# Altium PCB GoPoS_PCB_V3_0.PcbDoc (part 1 of 2)
Units mm, origin at the board's own origin, x right, y up, seen from the top; angles counter-clockwise.
Board outline 218.5 x 165.61 mm, 2 copper layers (Top Layer, Bottom Layer); 105 components, 81 nets, 435 pads, 245 vias.
Unrouted connection lines stored in the file: 37.
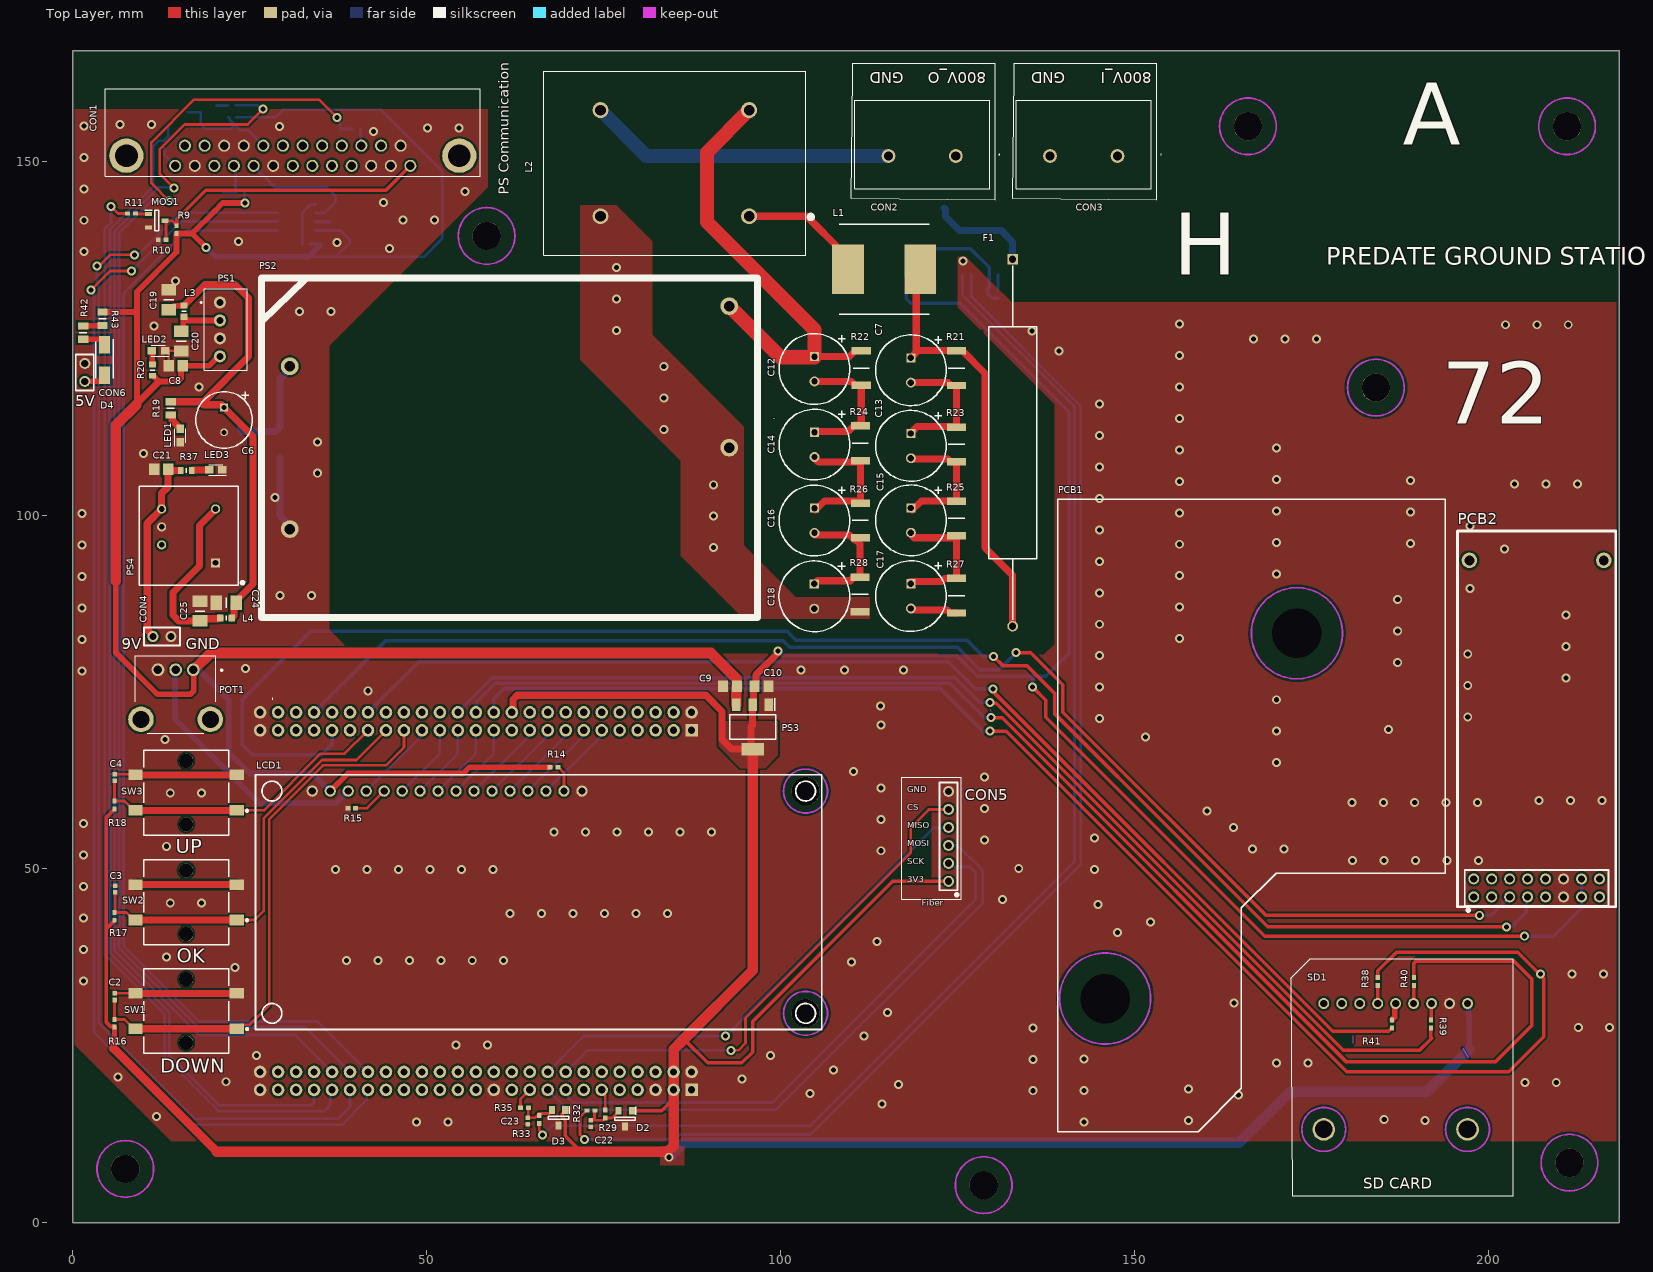
[diagram p0: Top Layer view]
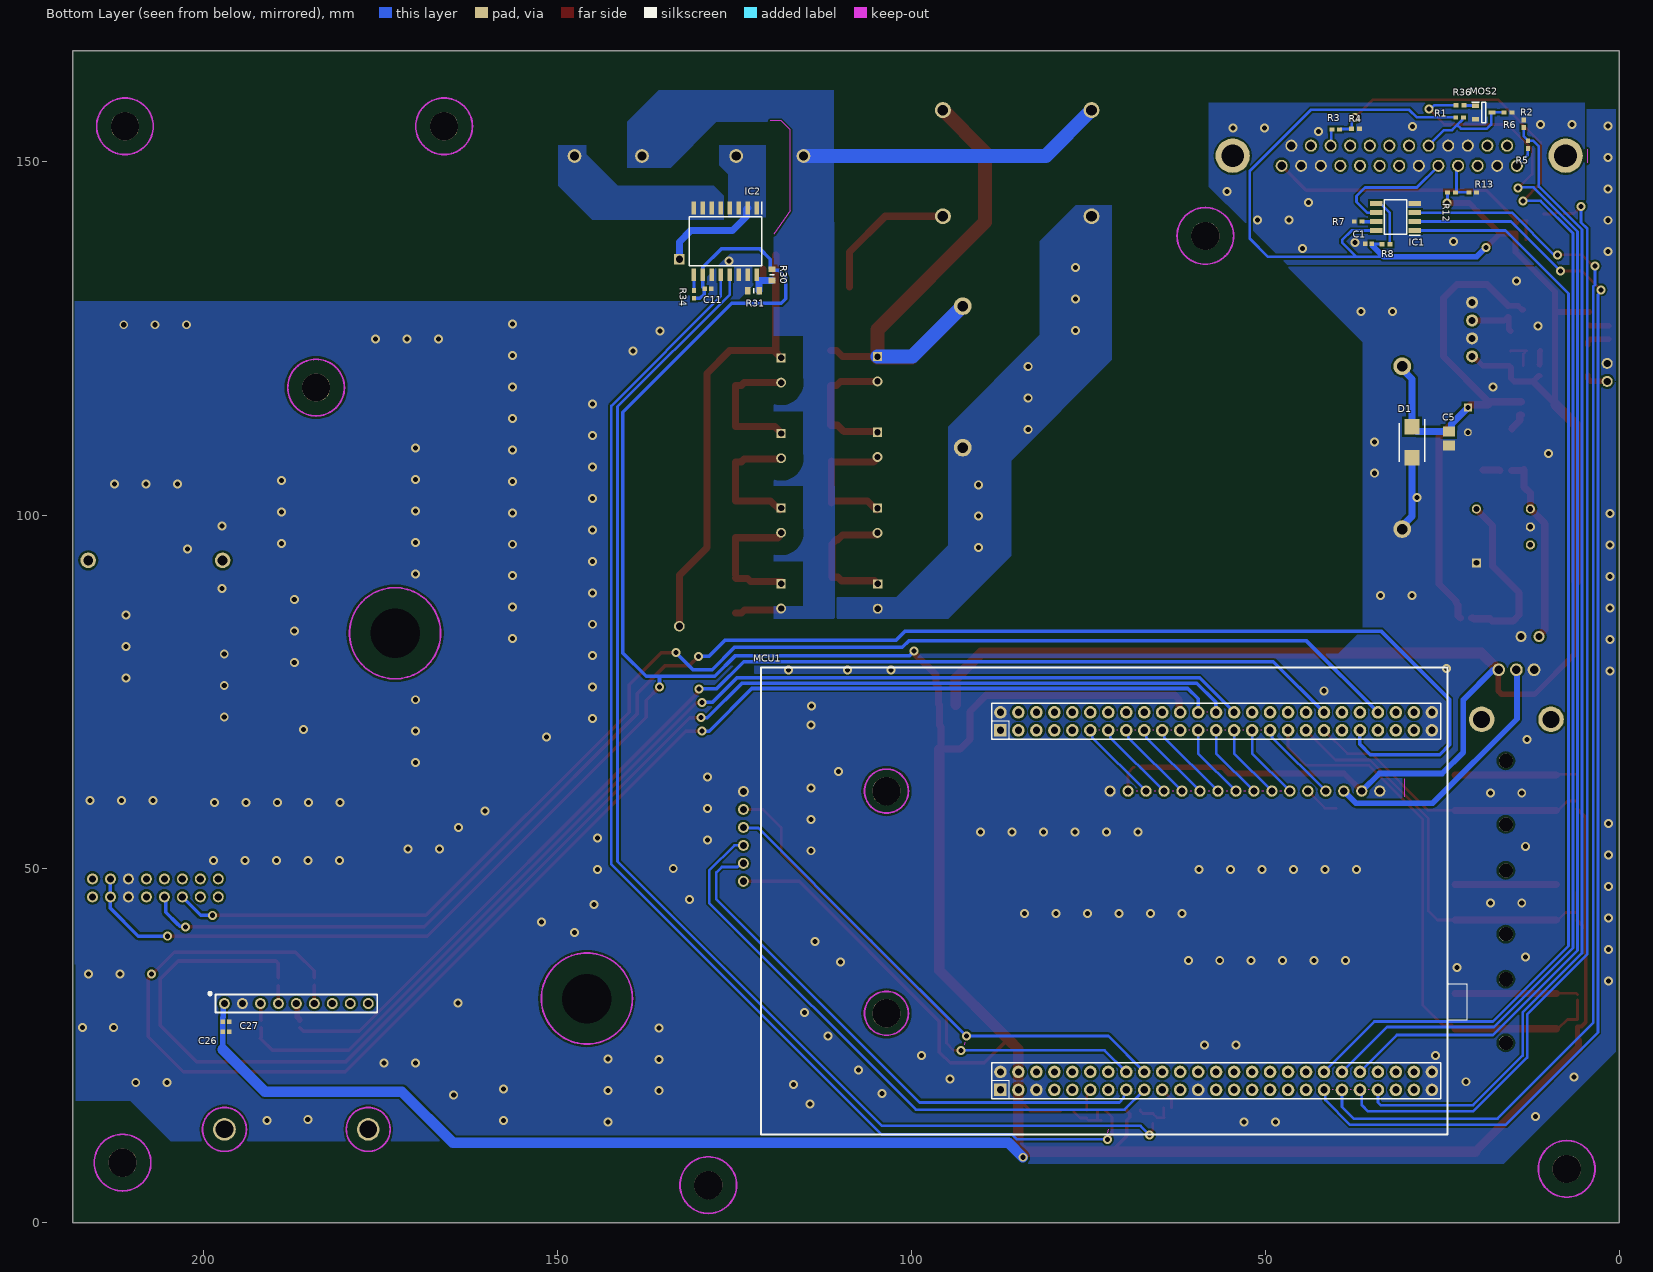
[diagram p1: Bottom Layer view, seen from below]

## Layer stack, top to bottom
Top Solder: solder mask 0.0102, Solder Resist, Dk 3.5
Top Layer: signal copper 0.0356
Dielectric 1: dielectric 0.32, FR-4, Dk 4.8
Bottom Layer: signal copper 0.0356
Bottom Solder: solder mask 0.0102, Solder Resist, Dk 3.5

## Board outline
0,0 0,165.608 218.5,165.608 218.5,0

## Design rules (kind name [scope] priority, off if disabled: settings)
Clearance Clearance_1 [InNet('+800V') OR InNet('800V_out') OR InNet('NetC7_1') OR InNet('NetC7_2') OR InNet('NetC13_2')      OR InNet('NetC15_2') vs InNet('GND_800V') OR InNet('LOC/ANALOG')] p1: gap=2.5 ignorepadtopadclearanceinfootprint=TRUE
Clearance [All] p2: gap=0.254 ignorepadtopadclearanceinfootprint=FALSE except(0: Arc-Hole Track-Hole SMDPad-Hole THPad-Hole Via-Hole Fill-Hole Poly-Hole Region-Hole Text-Hole; 0.3: Arc-Fill Arc-Poly Arc-Region Track-Fill Track-Poly Track-Region SMDPad-Fill SMDPad-Poly SMDPad-Region THPad-Fill THPad-Poly THPad-Region Via-Fill Via-Poly Via-Region Fill-Fill Fill-Poly Fill-Region Poly-Poly Poly-Region Region-Region)
ComponentClearance [All] p1 off: gap=0.254 collisioncheckmode=3 verticalgap=0 showdistances=FALSE
Height [All] p1 off: minheight=0 maxheight=25.4 prefheight=12.7
HoleSize [All] p1: absolutevalues=TRUE maxlimit=5 minlimit=0.025 maxpercent=80.000 minpercent=20.000
MinimumSolderMaskSliver [All] p1: minsoldermaskwidth=0.1
PolygonConnect [All] p1: connectstyle=Relief reliefconductorwidth=0.254 reliefentries=4 polygonreliefangle="90 Angle" airgapwidth=0.254
RoutingVias [All] p1: holewidth=0.711 width=1.27 viastyle="Through Hole" minholewidth=0.711 minwidth=1.27 maxholewidth=0.711 maxwidth=1.27
SilkToSilkClearance [All] p1: silktosilkclearance=0.125
SilkToSolderMaskClearance [IsPad] p1: minsilkscreentomaskgap=0.1 clearancetoexposedcopper=TRUE
SolderMaskExpansion [All] p1: expansion=0.102 istentingtop=FALSE
Width [All] p1: maxlimit=2 minlimit=0.254 preferedwidth=0.381 minimp=50.000000 maximp=50.000000 favimp=50.000000
24 further rules are at their usual default settings.

## Classes and differential pairs
component class U_Communication: CON5 PCB1 PCB2
component class U_PS_Power: C5 C6 C7 C8 C9 C10 C11 C12 C13 C14 C15 C16 C17 C18 C19 C20 C21 C22 C23 C24 C25 CON2 CON3 CON4 CON6 D1 D4 F1 IC2 L1 L2 L3 L4 LED1 LED2 LED3 PS1 PS2 PS3 PS4 R19 R20 R21 R22 R23 R24 R25 R26 R27 R28 R30 R31 R32 R33 R34 R37 R42 R43
component class U_PS_Control: C1 CON1 IC1 MOS1 MOS2 R1 R2 R3 R4 R5 R6 R7 R8 R9 R10 R11 R12 R13 R36
component class U_MCU: D2 D3 MCU1 R29 R35
component class U_HMI: C2 C3 C4 C26 C27 LCD1 POT1 R14 R15 R16 R17 R18 R38 R39 R40 R41 SD1 SW1 SW2 SW3

## Components (designator, comment, footprint, x,y, rotation, side; value= is the part's Value field where it differs from the comment)
C1 "0.1uF/25V" C0402 35.868,138.358 r180 bottom
C2 "0.1uF/25V" C0402 5.896,31.496 r90 top
C3 "0.1uF/25V" C0402 6.023,46.736 r90 top
C4 "0.1uF/25V" C0402 5.896,62.484 r90 top
C5 "1uF/50V" C0805 24.057,111.835 r270 bottom
C6 "120uF/50V" Cap_THT_O8mm#1 21.382,115.2 r270 top
C7 "10uF/400V" Cap_THT_O8mm#2 118.418,122.222 r270 top
C8 "10uF/16V" C0805 15.531,121.093 r180 top
C9 "10uF/16V" C0805 93.855,75.819 r180 top
C10 "10uF/16V" C0805 96.32,75.819 r0 top
C11 "0.1uF/25V" C0402 129.224,131.953 r180 bottom
C12 "10uF/400V" Cap_THT_O8mm#2 104.798,122.393 r270 top
C13 "10uF/400V" Cap_THT_O8mm#2 118.418,111.543 r270 top
C14 "10uF/400V" Cap_THT_O8mm#2 104.798,111.713 r270 top
C15 "10uF/400V" Cap_THT_O8mm#2 118.418,101.013 r270 top
C16 "10uF/400V" Cap_THT_O8mm#2 104.798,100.986 r270 top
C17 "10uF/400V" Cap_THT_O8mm#2 118.418,90.309 r270 top
C18 "10uF/400V" Cap_THT_O8mm#2 104.769,90.282 r270 top
C19 "4.7uF/50V" C1206 13.54,129.032 r90 top
C20 "4.7uF/50V" C1206 15.329,125.99 r270 top
C21 "10uF/16V" C0805 13.48,106.475 r180 top
C22 "0.01uF/25V" C0402 73.206,14.489 r270 top
C23 "0.01uF/25V" C0402 64.316,14.859 r270 top
C24 "4.7uF/50V" C1206 23.075,87.625 r180 top
C25 "4.7uF/50V" C1206 17.978,85.049 r90 top
C26 "2.2uF/25V" C0402 197.3,27 r180 bottom
C27 "0.1uF/25V" C0402 197.3,28.4 r180 bottom
CON1 "L717SDB25PA4CH4F" DSUB_THT_RIGHTAngle_25 54.605,150.78 r180 top
CON2 "1714971" CON1X02_9.52mm 124.768,150.749 r180 top
CON3 "1714971" CON1X02_9.52mm 147.602,150.749 r180 top
CON4 "881545-1" Con1x02_2.54_Jump 11.325,82.849 r90 top
CON5 "M20-8770646" Con1x06_2.54 123.752,48.26 r180 top
CON6 "881545-1" Con1x02_2.54_Jump 1.7,118.9 r180 top
D1 "SMBJ20A" DO-214AA-2 29.264,112.477 r270 bottom
D2 "BAT54S,235" SOT-23-3 78.032,14.732 r270 top
D3 "BAT54S,235" SOT-23-3 68.629,14.859 r270 top
D4 "S1M-HF" DO-214AC 4.474,121.92 r270 top
F1 "0ADBP2000-RE" Axial_Fuse_33mm 132.8,136.16 r270 top
IC1 "MCP41010-I/SN" SOIC-8 28.883,140.208 r0 bottom
IC2 "MCA1101-5-3" SOIC-16 126.292,138.684 r270 bottom
L1 "1.2mH/0.4A" L1208 119.75,134.75 r180 top
L2 "744866103" 744866103 95.558,142.226 r180 top
L3 "6.8uH/0.3A" L0603 15.7,129.616 r270 top
L4 "6.8uH/0.3A" L0603 22.45,85.464 r180 top
LCD1 "1602A" LCD_16x2 33.836,61.007 r0 top
LED1 "150080GS75000" L0805 15.175,110.275 r90 top
LED2 "150080GS75000" L0805 13.043,123.228 r180 top
LED3 "150080GS75000" L0805 21.15,106.4 r180 top
MCU1 "STM32F407G-DISC1" STM32F407G-DISC1 24.25,12.465 r90 bottom
MOS1 "RK7002BMT116" SOT23-3-GSD 10.708,142.555 r0 top
MOS2 "RK7002BMT116" SOT23-3-GSD 20.3,157.85 r180 bottom
PCB1 "Comment" "TP-Link MC220L" 139.209,12.874 r90 top
PCB2 "Uart to Ethernet Converter" UART2ETH 197.94,46.06 r90 top
POT1 "Potentiometer" Pot_THT 19.432,71.147 r180 top
PS1 "PDSE1-S15-S5-S" SIP-4 20.79,130.048 r270 top
PS2 "PV15-27B15R3" DIP-4_Module_1 92.751,109.531 r180 top
PS3 "TS1117BCW33RP" SOT-223-3 98.366,73.229 r270 top
PS4 "PQP3-D12-D9-D" DIP-5 20.175,93.255 r180 top
R1 "10K" R0402 22.548,156.2 r0 bottom
R2 "TBD" R0402 15.7,156.9 r0 bottom
R3 "1K1" R0402 40.05,154.5 r180 bottom
R4 "2K1" R0402 37.25,154.6 r0 bottom
R5 "1K1" R0402 12.9,152.35 r90 bottom
R6 "2K1" R0402 13.5,155.3 r270 bottom
R7 "TBD" R0402 36.884,141.478 r0 bottom
R8 "TBD" R0402 32.947,138.272 r180 bottom
R9 "10K" R0402 14.659,140.335 r270 top
R10 "TBD" R0402 12.627,138.907 r0 top
R11 "10R" R0402 8.309,142.621 r0 top
R12 "TBD" R0402 23.7,145.6 r180 bottom
R13 "TBD" R0402 20.7,145.6 r0 bottom
R14 "TBD" R0402 67.999,64.389 r180 top
R15 "10K" R0402 39.424,58.594 r0 top
R16 "2k2" R0402 5.896,28.194 r270 top
R17 "2k2" R0402 5.896,43.307 r270 top
R18 "2k2" R0402 5.896,59.055 r270 top
R19 "3k" R0805 13.825,115.075 r90 top
R20 "715R" R0603 11.265,121.285 r270 top
R21 "1M" R2010 124.866,118.318 r90 top
R22 "1M" R2010 111.402,118.329 r90 top
R23 "1M" R2010 124.866,107.535 r90 top
R24 "1M" R2010 111.275,107.702 r90 top
R25 "1M" R2010 124.866,97.076 r90 top
R26 "1M" R2010 111.275,96.795 r90 top
R27 "1M" R2010 124.866,86.171 r90 top
R28 "1M" R2010 111.246,86.345 r90 top
R29 "100R" R0402 75.238,15.367 r90 top
R30 "TBD" R0603 119.688,133.147 r90 bottom
R31 "TBD" R0603 123.117,131.699 r180 bottom
R32 "100R" R0402 73.206,15.875 r0 top
R33 "100R" R0402 65.899,14.605 r90 top
R34 "10K" R0402 130.737,131.191 r270 bottom
R35 "100R" R0402 63.808,16.27 r180 top
R36 "10R" R0402 22.504,157.9 r180 bottom
R37 "715R" R0603 16.831,106.313 r180 top
R38 "0R" R0402 184.4,34.1 r90 top
R39 "0R" R0402 191.9,28.1 r90 top
R40 "0R" R0402 189.5,34.1 r270 top
R41 "0R" R0402 186.4,28.1 r90 top
R42 "3k" R0805 1.47,125.8 r90 top
R43 "3k" R0805 4.2,127.75 r90 top
SD1 "4682" SD_Board 197.073,30.988 r180 top
SW1 "PTS125SM43SMTR21M LFS" 12mm_SMD 23.168,27.432 r180 top
SW2 "PTS125SM43SMTR21M LFS" 12mm_SMD 23.168,42.799 r180 top
SW3 "PTS125SM43SMTR21M LFS" 12mm_SMD 23.168,58.293 r180 top

## Footprints (in the part's own frame and the unit in brackets; to place one, negate y for a bottom-side part, rotate by r counter-clockwise, add the part's x,y. Pads: shape width x height; smd on the part's side, far side on the other; paste and mask are expansions set on the pad)
12mm_SMD [mm]
  round 2 hole 2 unplated: 0(7.15,2) 0(7.15,-7)
  rect 2x1.5 smd: 1(0,0) 2(14.3,0) 3(0,-5) 4(14.3,-5)
  Top Layer lines w1: 14.3,0 0,0 ; 14.3,-5 0,-5
  silkscreen extent -1.5,-8.5 13.15,3.5, body extent -0.58,-8.47 14.72,3.53, height 8.47
744866103 [mm]
  round 2.25 hole 1.5: 1(0,0) 2(0,-15) 3(21,-15) 4(21,0)
  silkscreen extent -8.8,-20.5 29,5.5, body extent -8,-20.5 29,5.5, height 45.1
Axial_Fuse_33mm [mm]
  rect 1.515x1.515 hole 1.01: 1(0,0)
  round 1.515 hole 1.01: 2(51.86,0)
  silkscreen extent 0.93,-3.38 50.93,3.38, body extent 9.47,-3.33 42.29,3.43, height 6.5
C0402 [mm]
  rect 0.65x0.64 smd: 1(0,0) 2(0.925,0)
  body extent -0.05,-0.25 0.95,0.25, height 0.56
C0805 [mm]
  rect 1.44x1.66 smd: 1(0,0) 2(1.98,0)
  body extent 0.01,-0.63 2.02,0.63, height 0.94
C1206 [mm]
  rect 1.62x2.06 smd: 1(0,0) 2(2.8,0)
  silkscreen extent 1.4,-0.7 1.4,0.7, body extent -0.2,-0.8 3,0.8, height 1
Cap_THT_O8mm#1 [mm]
  rect 1.1x1.1 hole 0.7: 1(0,0)
  round 1.1 hole 0.7: 2(3.5,0)
  silkscreen extent -2.25,-4 5.75,4, body extent -2.5,-4.25 6,4.25, height 13
Cap_THT_O8mm#2 [mm]
  rect 1.3x1.3 hole 0.9: 1(0,0)
  round 1.4 hole 0.9: 2(3.5,0)
  silkscreen extent -3.25,-5 6.75,5, body extent -2.5,-4.25 6,4.25, height 13
Con1x02_2.54_Jump [mm]
  round 1.55 hole 1.02: 1(0,0) 2(0,-2.54)
  silkscreen extent -1.27,-3.81 1.27,1.27, body extent -1.24,-3.81 1.24,1.27, height 10.89
CON1X02_9.52mm [mm]
  round 1.95 hole 1.3: 1(0,0) 2(9.52,0)
  silkscreen extent -6.2,-7.9 14.28,4.6, body extent -5.32,-7.95 14.29,4.55, height 21.5
Con1x06_2.54 [mm]
  round 1.55 hole 1.02: 1(0,0) 2(0,-2.54) 3(0,-5.08) 4(0,-7.62) 5(0,-10.16) 6(0,-12.7)
  silkscreen extent -1.27,-13.97 1.27,2.03, body extent -1.24,-13.97 1.24,1.27, height 10.52
DIP-4_Module_1 [mm]
  round 2.5 hole 1.5: 1(0,0) 2(0,-20) 3(62.09,-11.5) 4(62.09,11.5)
  silkscreen extent -4,-24 66.09,24, body extent -4.32,-24.38 66.42,24.64, height 23.5
DIP-5 [mm]
  rect 1.3x1.3 hole 0.8: 1(0,0)
  round 1.3 hole 0.8: 4(0,-7.62) 5(7.62,-7.62) 6(7.62,-5.08) 7(7.62,-2.54)
  silkscreen extent -4.01,-10.81 10.81,3.19, body extent -3.19,-10.81 10.81,3.19, height 9.6
DO-214AA-2 [mm]
  rect 2.2x2.15 smd: 1(0,0) 2(4.4,0)
  silkscreen extent -1.07,-1.81 4.9,1.81, body extent -0.5,-1.81 4.9,1.81, height 2.44
DO-214AC [mm]
  rect 2.45x1.6 smd: 1(-2.15,0) 2(2.15,0)
  silkscreen extent -2.95,-1.25 2.6,1.25, body extent -2.6,-1.25 2.6,1.25, height 2.5
DSUB_THT_RIGHTAngle_25 [mm]
  round 1.7 hole 1.2: 1(6.9,1.42) 2(9.67,1.42) 3(12.44,1.42) 4(15.21,1.42) 5(17.98,1.42) 6(20.75,1.42) 7(23.52,1.42) 8(26.29,1.42) 9(29.06,1.42) 10(31.83,1.42) 11(34.6,1.42) 12(37.37,1.42) 13(40.14,1.42) 14(8.285,-1.42) 15(11.055,-1.42) 16(13.825,-1.42) 17(16.595,-1.42) 18(19.365,-1.42) 19(22.135,-1.42) 20(24.905,-1.42) 21(27.675,-1.42) 22(30.445,-1.42) 23(33.215,-1.42) 24(35.985,-1.42) 25(38.755,-1.42)
  round 4.845 hole 3.23: MH1(0,0) MH2(47.04,0)
  silkscreen extent -3,-9.5 50.04,2.9, body extent -3,-15.4 50.04,2.9, height 12.65
L0603 [mm]
  rect 0.9x1 smd: 1(0,0) 2(1.6,0)
  silkscreen extent 0.8,-0.3 0.8,0.3, body extent 0,-0.4 1.6,0.4, height 0.95
L0805 [mm]
  rect 1.2x1.05 smd: 1(0,0) 2(1.9,0)
  silkscreen extent -0.53,-0.75 1.95,0.75, body extent -0.05,-0.63 1.95,0.63, height 0.7
L1208 [mm]
  rect 4.5x7 smd: 1(0,0) 2(10.2,0)
  silkscreen extent -1.25,-6.35 11.45,6.35, body extent -1.25,-6.35 11.45,6.35, height 8.5
LCD_16x2 [mm]
  round 1.6 hole 1.02: 1(0,0) 2(2.54,0) 3(5.08,0) 4(7.62,0) 5(10.16,0) 6(12.7,0) 7(15.24,0) 8(17.78,0) 9(20.32,0) 10(22.86,0) 11(25.4,0) 12(27.94,0) 13(30.48,0) 14(33.02,0) 15(35.56,0) 16(38.1,0)
  silkscreen extent -8,-33.7 72,2.3, body extent -7.93,-33.64 72.07,2.36, height 18.05
Pot_THT [mm]
  round 1.8 hole 1.2: 1(2.4,-7) 2(4.9,-7) 3(7.4,-7)
  round 3.6 hole 2.4: MH1(0,0) MH2(9.8,0)
  silkscreen extent -1.65,-9 10.6,2, body extent -1.09,-9 10.9,2, height 30.6
R0402 [mm]
  rect 0.7x0.6 smd: 1(-0.55,0) 2(0.55,0)
  body extent -0.5,-0.25 0.5,0.25, height 0.35
R0603 [mm]
  rect 0.8x1 smd: 1(0,0) 2(1.6,0)
  silkscreen extent 0.8,-0.33 0.8,0.33, body extent 0.03,-0.42 1.58,0.43, height 0.45
R0805 [mm]
  rect 1x1.45 smd: 1(-0.95,0) 2(0.95,0)
  silkscreen extent 0,-0.53 0,0.53, body extent -1,-0.63 1,0.63, height 0.65
R2010 [mm]
  rect 1.05x2.7 smd: 1(0,0) 2(4.9,0)
  silkscreen extent 2.45,-1.15 2.45,1.15, body extent -0.05,-1.25 4.95,1.25, height 0.7
SD_Board [mm]
  round 1.55 hole 1.02: 1(0,0) 2(2.54,0) 3(5.08,0) 4(7.62,0) 5(10.16,0) 6(12.7,0) 7(15.24,0) 8(17.78,0) 9(20.32,0)
  round 3.2 hole 2.5: P$1(0,17.78) P$1(20.32,17.78)
  Keep-Out Layer circle w0.254: c20.32,17.78 r3.1
  Keep-Out Layer circle w0.254: c0,17.78 r3.1
SIP-4 [mm]
  round 1.7 hole 1.02: 1(0,0) 2(2.54,0) 3(5.08,0) 4(7.62,0)
  silkscreen extent -1.95,-2.76 9.57,3.89, body extent -1.95,-2.21 9.57,3.89, height 10.1
SOIC-8 [mm]
  rect 1.78x0.72 smd: 1(0,0) 2(0,-1.27) 3(0,-2.54) 4(0,-3.81) 5(5.424,-3.81) 6(5.424,-2.54) 7(5.424,-1.27) 8(5.424,0)
  silkscreen extent -0.76,-4.36 4.31,0.67, body extent -0.29,-4.36 5.71,0.55, height 1.75
SOIC-16 [mm]
  rect 1.8x0.65 smd: 1(-4.725,4.445) 2(-4.725,3.175) 3(-4.725,1.905) 4(-4.725,0.635) 5(-4.725,-0.635) 6(-4.725,-1.905) 7(-4.725,-3.175) 8(-4.725,-4.445) 9(4.725,-4.445) 10(4.725,-3.175) 11(4.725,-1.905) 12(4.725,-0.635) 13(4.725,0.635) 14(4.725,1.905) 15(4.725,3.175) 16(4.725,4.445)
  silkscreen extent -5.63,-5.11 3.47,5.12, body extent -5.16,-5.1 5.16,5.1, height 2.64
SOT23-3-GSD [mm]
  rect 1x0.6 smd: 1(0,0) 2(0,-1.9) 3(2.3,-0.95)
  silkscreen extent -0.51,-2.4 1.45,0.51
SOT-23-3 [mm]
  rect 1.1x0.85 smd: 1(1.1,0) 2(-1.1,0.95) 3(-1.1,-0.95)
  silkscreen extent -1.65,-1.48 0.2,1.5, body extent -1.24,-1.48 1.24,1.48, height 1.15
SOT-223-3 [mm]
  rect 1.75x1.2 smd: 1(0,0) 2(0,-2.3) 3(0,-4.6)
  rect 1.75x3.2 smd: 4(6.3,-2.3)
  silkscreen extent -0.88,-5.55 4.9,0.95, body extent -0.35,-5.55 6.65,0.95, height 1.9
STM32F407G-DISC1 [mil]
  rect 70x70 hole 40: 1(249.24,2487.4) 51(2249.24,2487.4)
  round 70 hole 40: 2(349.24,2487.4) 3(249.24,2387.4) 4(349.24,2387.4) 5(249.24,2287.4) 6(349.24,2287.4) 7(249.24,2187.4) 8(349.24,2187.4) 9(249.24,2087.4) 10(349.24,2087.4) 11(249.24,1987.4) 12(349.24,1987.4) 13(249.24,1887.4) 14(349.24,1887.4) 15(249.24,1787.4) 16(349.24,1787.4) 17(249.24,1687.4) 18(349.24,1687.4) 19(249.24,1587.4) 20(349.24,1587.4) 21(249.24,1487.4) 22(349.24,1487.4) 23(249.24,1387.4) 24(349.24,1387.4) 25(249.24,1287.4) 26(349.24,1287.4) 27(249.24,1187.4) 28(349.24,1187.4) 29(249.24,1087.4) 30(349.24,1087.4) 31(249.24,987.4) 32(349.24,987.4) 33(249.24,887.4) 34(349.24,887.4) 35(249.24,787.4) 36(349.24,787.4) 37(249.24,687.4) 38(349.24,687.4) 39(249.24,587.4) 40(349.24,587.4) 41(249.24,487.4) 42(349.24,487.4) 43(249.24,387.4) 44(349.24,387.4) 45(249.24,287.4) 46(349.24,287.4) 47(249.24,187.4) 48(349.24,187.4) 49(249.24,87.4) 50(349.24,87.4) 52(2349.24,2487.4) 53(2249.24,2387.4) 54(2349.24,2387.4) 55(2249.24,2287.4) 56(2349.24,2287.4) 57(2249.24,2187.4) 58(2349.24,2187.4) 59(2249.24,2087.4) 60(2349.24,2087.4) 61(2249.24,1987.4) 62(2349.24,1987.4) 63(2249.24,1887.4) 64(2349.24,1887.4) 65(2249.24,1787.4) 66(2349.24,1787.4) 67(2249.24,1687.4) 68(2349.24,1687.4) 69(2249.24,1587.4) 70(2349.24,1587.4) 71(2249.24,1487.4) 72(2349.24,1487.4) 73(2249.24,1387.4) 74(2349.24,1387.4) 75(2249.24,1287.4) 76(2349.24,1287.4) 77(2249.24,1187.4) 78(2349.24,1187.4) 79(2249.24,1087.4) 80(2349.24,1087.4) 81(2249.24,987.4) 82(2349.24,987.4) 83(2249.24,887.4) 84(2349.24,887.4) 85(2249.24,787.4) 86(2349.24,787.4) 87(2249.24,687.4) 88(2349.24,687.4) 89(2249.24,587.4) 90(2349.24,587.4) 91(2249.24,487.4) 92(2349.24,487.4) 93(2249.24,387.4) 94(2349.24,387.4) 95(2249.24,287.4) 96(2349.24,287.4) 97(2249.24,187.4) 98(2349.24,187.4) 99(2249.24,87.4) 100(2349.24,87.4)
  silkscreen extent 0,-108 2598,3819, body extent 8,-169 2587,3870, height 1004
"TP-Link MC220L" [mm]
  round 3.86 hole 7 unplated: ""(18.823,-6.652) ""(70.436,-33.753)
  silkscreen extent -0.02,-54.68 89.38,0.05
UART2ETH [mm]
  round 1.55 hole 1.02: 1(0,0) 2(0,-2.54) 3(0,-5.08) 4(0,-7.62) 5(0,-10.16) 6(0,-12.7) 7(0,-15.24) 8(0,-17.78) 9(2.54,0) 10(2.54,-2.54) 11(2.54,-5.08) 12(2.54,-7.62) 13(2.54,-10.16) 14(2.54,-12.7) 15(2.54,-15.24) 16(2.54,-17.78)
  round 2.2 hole 1.4: ""(47.54,-18.38) ""(47.54,0.6)
  silkscreen extent -2.03,-20.07 51.69,2.29, body extent -1.27,-19.02 3.81,1.24, height 10.52

## Part data
C1 C2 C3 C4 C11 C27: library part C0402C104K3RACTU, "Multilayer Ceramic 25V 0.1uF X7R 0402 10%", Case/Package=0402, Manufacturer=Yageo, Supplier Part Number 1=80-C0402C104K3R, Part Number=C0402C104K3RACTU, Supplier 1=Mouser
C5: library part CL21B105KBFNNNE, "CAP CER 1UF 50V X7R 0805", Capacitance=1uF, Case Code (Imperial)=0805, Case Code (Metric)=2012, Manufacturer=Samsung, Max Operating Temperature=125°C, Min Operating Temperature=-55°C, Package Quantity=1, Supplier Part Number 1=187-CL21B105KBFNNNE, Tolerance=10%, Voltage Rating=50V, Case/Package=0805, Category="Ceramic Capacitors", Manufacturer Part Number=CL21B105KBFNNNE, Mount="Surface Mount", Packaging="Tape and Reel", Part Number=CL21B105KBFNNNE, Pricing 1="1=0,12000, 10=0,08600, 50=0,08600, 100=0,0410", RoHS=Yes, Stock 1=18533, Supplier 1=Mouser
C6: library part 860010674015, "Aluminium Electrolytic Capacitor, Wcap-Atg8 S", Case/Package=Radial, Manufacturer="Wurth Electronics", Supplier Part Number 1=710-860010674015, Category="Aluminum Electrolytic Capacitors", Manufacturer Part Number=860010674015, Mount="Through Hole", Part Number=860010674015, Pricing 1="1=0,31000, 10=0,30800, 50=0,26400, 100=0,2300", RoHS=Yes, Stock 1=1491, Supplier 1=Mouser
C7 C12 C13 C14 C15 C16 C17 C18: library part ESH106M400AH2AA, "Cap, 10UF, 400V, Alu Elec, Radial", Capacitance=10uF, Case/Package=Radial, Manufacturer=KEMET, Max Operating Temperature=105°C, Min Operating Temperature=-25°C, Supplier Part Number 1=80-ESH106M400AH2AA, Tolerance=20%, Voltage Rating=400V, ComponentLink1Description=https://api.kemet.com/component-edge/download, ComponentLink1URL=https://api.kemet.com/component-edge/download, Life (Hours)=2000Hour, Manufacturer Part Number=ESH106M400AH2AA, Mount="Through Hole", Packaging=Bulk, Part Number=ESH106M400AH2AA, Polarity=Polar, Pricing 1="1=0,67000, 10=0,46900, 50=0,35500, 100=0,3090", RoHS=Yes, RoHS Compliant=No, Stock 1=5291, Supplier 1=Mouser
C8 C9 C10 C21: library part CL21A106KOQNNNE, "Multilayer Ceramic Capacitors MLCC - SMD/SMT", Capacitance=10uF, Case Code (Imperial)=0805, Case Code (Metric)=2012, Dielectric=X7R, Manufacturer=Samsung, Max Operating Temperature=85°C, Min Operating Temperature=-55°C, Package Quantity=1, Supplier Part Number 1=187-CL21A106KOQNNNE, Tolerance=10%, Voltage=16V, Case/Package=0805, Category="Ceramic Capacitors", Construction=Flat, Depth=1.25mm, Height=1.25mm, Lead Free="Lead Free", Length=2mm, Manufacturer Part Number=CL21A106KOQNNNE, Mount="Surface Mount", Packaging="Tape and Reel", Part Number=CL21A106KOQNNNE, Pricing 1="1=0,10000, 10=0,04100, 50=0,04100, 100=0,0330", Radiation Hardening=No, RoHS=Yes, RoHS Compliant=Yes, Series=CL, Stock 1=580556, Supplier 1=Mouser, Thickness=0.055inch, Voltage Rating=16V, Voltage Rating (DC)=16V, Width=0.049inch
C19 C20 C24 C25: library part CL31B475KBHNFNE, "CAP CER 4.7UF 50V X7R 1206", Capacitance=4.7uF, Case Code (Imperial)=1206, Case Code (Metric)=3216, Dielectric=X7R, Manufacturer=Samsung, Max Operating Temperature=125°C, Min Operating Temperature=-55°C, Package Quantity=1, Supplier Part Number 1=187-CL31B475KBHNFNE, Tolerance=10%, Voltage Rating=50V, Case/Package=1206, Category="Ceramic Capacitors", ComponentLink1Description=https://datasheet.ciiva.com/25726/cl31b475kbh, ComponentLink1URL=https://datasheet.ciiva.com/25726/cl31b475kbh, Construction=Flat, Depth=1.6mm, Height=1.6mm, Length=3.2mm, Manufacturer Part Number=CL31B475KBHNFNE, Mount="Surface Mount", Packaging="Tape and Reel", Part Number=CL31B475KBHNFNE, Pricing 1="1=0,30000, 10=0,13500, 50=0,13500, 100=0,1150", Radiation Hardening=No, RoHS=Yes, RoHS Compliant=Yes, Series=CL, Stock 1=112063, Supplier 1=Mouser, Thickness=0.071inch, Width=0.063inch
C22 C23: library part C0402C103K3RAC7411, "Multilayer Ceramic 25V 0.01uF X7R 0402 10%", Case/Package=0402, Manufacturer=Yageo, Supplier Part Number 1=80-C0402C103K3R7411, Part Number=C0402C103K3RAC7411, Supplier 1=Mouser
C26: library part GRM155C81E225ME11D, "Ceramic 2.2UF 25V 20% 0402", Case/Package=0402, Part Number=GRM155C81E225ME11D
CON1: "D-Sub Standard Connectors 25P Size B Stamped", Color=Green, Current=30A, Current Rating=32A, Flammability Rating="UL94 V-0", Insulation Color=Natural, Manufacturer=Amphenol, Max Operating Temperature=85°C, Max Supply Voltage=690V, Max Voltage Rating (AC)=50V, Max Voltage Rating (DC)=5.05kV, Min Operating Temperature=-40°C, Package Quantity=50, Supplier Part Number 1=523-L717SDB25PA4CH4F, Voltage=600V, Voltage Rating=1kV, Approvals=UL,CSA,cULus,EAC, ComponentLink1Description=https://datasheet.ciiva.com/16071/1714971-160, ComponentLink1URL=https://datasheet.ciiva.com/16071/1714971-160, ComponentLink2Description=https://datasheet.ciiva.com/15169/getdatashee, ComponentLink2URL=https://datasheet.ciiva.com/15169/getdatashee, ComponentLink3Description=https://datasheet.ciiva.com/823/1714971-82379, ComponentLink3URL=https://datasheet.ciiva.com/823/1714971-82379, ComponentLink4Description=https://datasheet.ciiva.com/1118/100944-11184, ComponentLink4URL=https://datasheet.ciiva.com/1118/100944-11184, ComponentLink5Description=https://datasheet.ciiva.com/29218/744593-da-0, ComponentLink5URL=https://datasheet.ciiva.com/29218/744593-da-0, ComponentLink6Description=https://datasheet.ciiva.com/16071/1773976-160, ComponentLink6URL=https://datasheet.ciiva.com/16071/1773976-160, ComponentLink7Description=https://datasheet.ciiva.com/15197/getdatashee, ComponentLink7URL=https://datasheet.ciiva.com/15197/getdatashee, ComponentLink8Description=https://datasheet.ciiva.com/6745/1773976-6745, ComponentLink8URL=https://datasheet.ciiva.com/6745/1773976-6745, ComponentLink9Description=https://datasheet.ciiva.com/11758/0900766b800, ComponentLink9URL=https://datasheet.ciiva.com/11758/0900766b800, ComponentLink10Description=https://datasheet.ciiva.com/29211/567317-da-0, ComponentLink10URL=https://datasheet.ciiva.com/29211/567317-da-0, ComponentLink11Description=https://datasheet.ciiva.com/14608/70055395-14, ComponentLink11URL=https://datasheet.ciiva.com/14608/70055395-14, ComponentLink12Description=https://datasheet.ciiva.com/33106/1773976-331, ComponentLink12URL=https://datasheet.ciiva.com/33106/1773976-331, ComponentLink13Description=https://datasheet.ciiva.com/5765/528260-57654, ComponentLink13URL=https://datasheet.ciiva.com/5765/528260-57654, ComponentLink14Description=https://datasheet.ciiva.com/16071/1774137-160, ComponentLink14URL=https://datasheet.ciiva.com/16071/1774137-160, ComponentLink15Description=https://datasheet.ciiva.com/15170/getdatashee, ComponentLink15URL=https://datasheet.ciiva.com/15170/getdatashee, ComponentLink16Description=https://datasheet.ciiva.com/6745/1774137-6745, ComponentLink16URL=https://datasheet.ciiva.com/6745/1774137-6745, ComponentLink17Description=https://datasheet.ciiva.com/9469/5015680607-p, ComponentLink17URL=https://datasheet.ciiva.com/9469/5015680607-p, ComponentLink18Description=https://datasheet.ciiva.com/5153/5015680607-p, ComponentLink18URL=https://datasheet.ciiva.com/5153/5015680607-p, ComponentLink19Description=https://datasheet.ciiva.com/30236/86015015680, ComponentLink19URL=https://datasheet.ciiva.com/30236/86015015680, ComponentLink20Description=https://datasheet.ciiva.com/11751/0900766b80b, ComponentLink20URL=https://datasheet.ciiva.com/11751/0900766b80b, ComponentLink21Description=https://datasheet.ciiva.com/9469/5015680607-p, ComponentLink21URL=https://datasheet.ciiva.com/9469/5015680607-p, ComponentLink22Description=https://datasheet.ciiva.com/48768/5015680607-, ComponentLink22URL=https://datasheet.ciiva.com/48768/5015680607-, ComponentLink23Description=https://datasheet.ciiva.com/7917/5015680607-p, ComponentLink23URL=https://datasheet.ciiva.com/7917/5015680607-p, ComponentLink24Description=https://datasheet.ciiva.com/46443/ps-501568-0, ComponentLink24URL=https://datasheet.ciiva.com/46443/ps-501568-0, ComponentLink25Description=https://datasheet.ciiva.com/16071/1729157-160, ComponentLink25URL=https://datasheet.ciiva.com/16071/1729157-160, ComponentLink26Description=https://datasheet.ciiva.com/15169/getdatashee, ComponentLink26URL=https://datasheet.ciiva.com/15169/getdatashee, ComponentLink27Description=https://datasheet.ciiva.com/824/1729157-82433, ComponentLink27URL=https://datasheet.ciiva.com/824/1729157-82433, ComponentLink28Description=https://datasheet.ciiva.com/1120/1731554-1120, ComponentLink28URL=https://datasheet.ciiva.com/1120/1731554-1120, ComponentLink29Description=https://datasheet.ciiva.com/23596/1581607-235, ComponentLink29URL=https://datasheet.ciiva.com/23596/1581607-235, ComponentLink30Description=https://datasheet.ciiva.com/14607/70054408-14, ComponentLink30URL=https://datasheet.ciiva.com/14607/70054408-14, Connector Type="PCB,Terminal Block", Contact Finish - Mating=TIN, Contact Material=Tin, Contact Plating=Tin, Contact Shape=Square, Contact Type="Male Pin", Depth=12.5mm, Fastening Type=Latch, Gender=Male, Glow Wire Compliant=Non-compliant, Height=21.5mm, Housing Color=Green, Housing Material=Polyamide, Insulation Material=Nylon, Lead Free="Lead Free", Length=19.04mm, Manufacturer Part Number=L717SDB25PA4CH4F, Material=Polyamide, Max Current Rating=32A, Mount="Through Hole", Number of Circuits=2, Number of Contacts=2, Number of Levels=1, Number of Pins=2, Number of Poles=2, Number of Positions=2, Number of Positions Per Level=2, Number of Rows=1, Number of Ways=2, Orientation=Straight, Packaging=Bulk, Part Number=L717SDB25PA4CH4F, Pitch=0.375inch, Radiation Hardening=No, REACH SVHC="No SVHC", Reach SVHC Compliant=Yes, RoHS Compliant=Yes, Series=MKDS, Stripping Length=8mm, Supplier 1=Mouser, Termination=Screw, Voltage Rating (AC)=690V, Voltage Rating (DC)=50V, Weight=0.228928oz, Width=21.5mm, Wire Gauge (Max)=24AWG, Wire Gauge (Min)=10AWG, Wire/Cable Gauge=24AWG